# KiCad board ECU.kicad_pcb
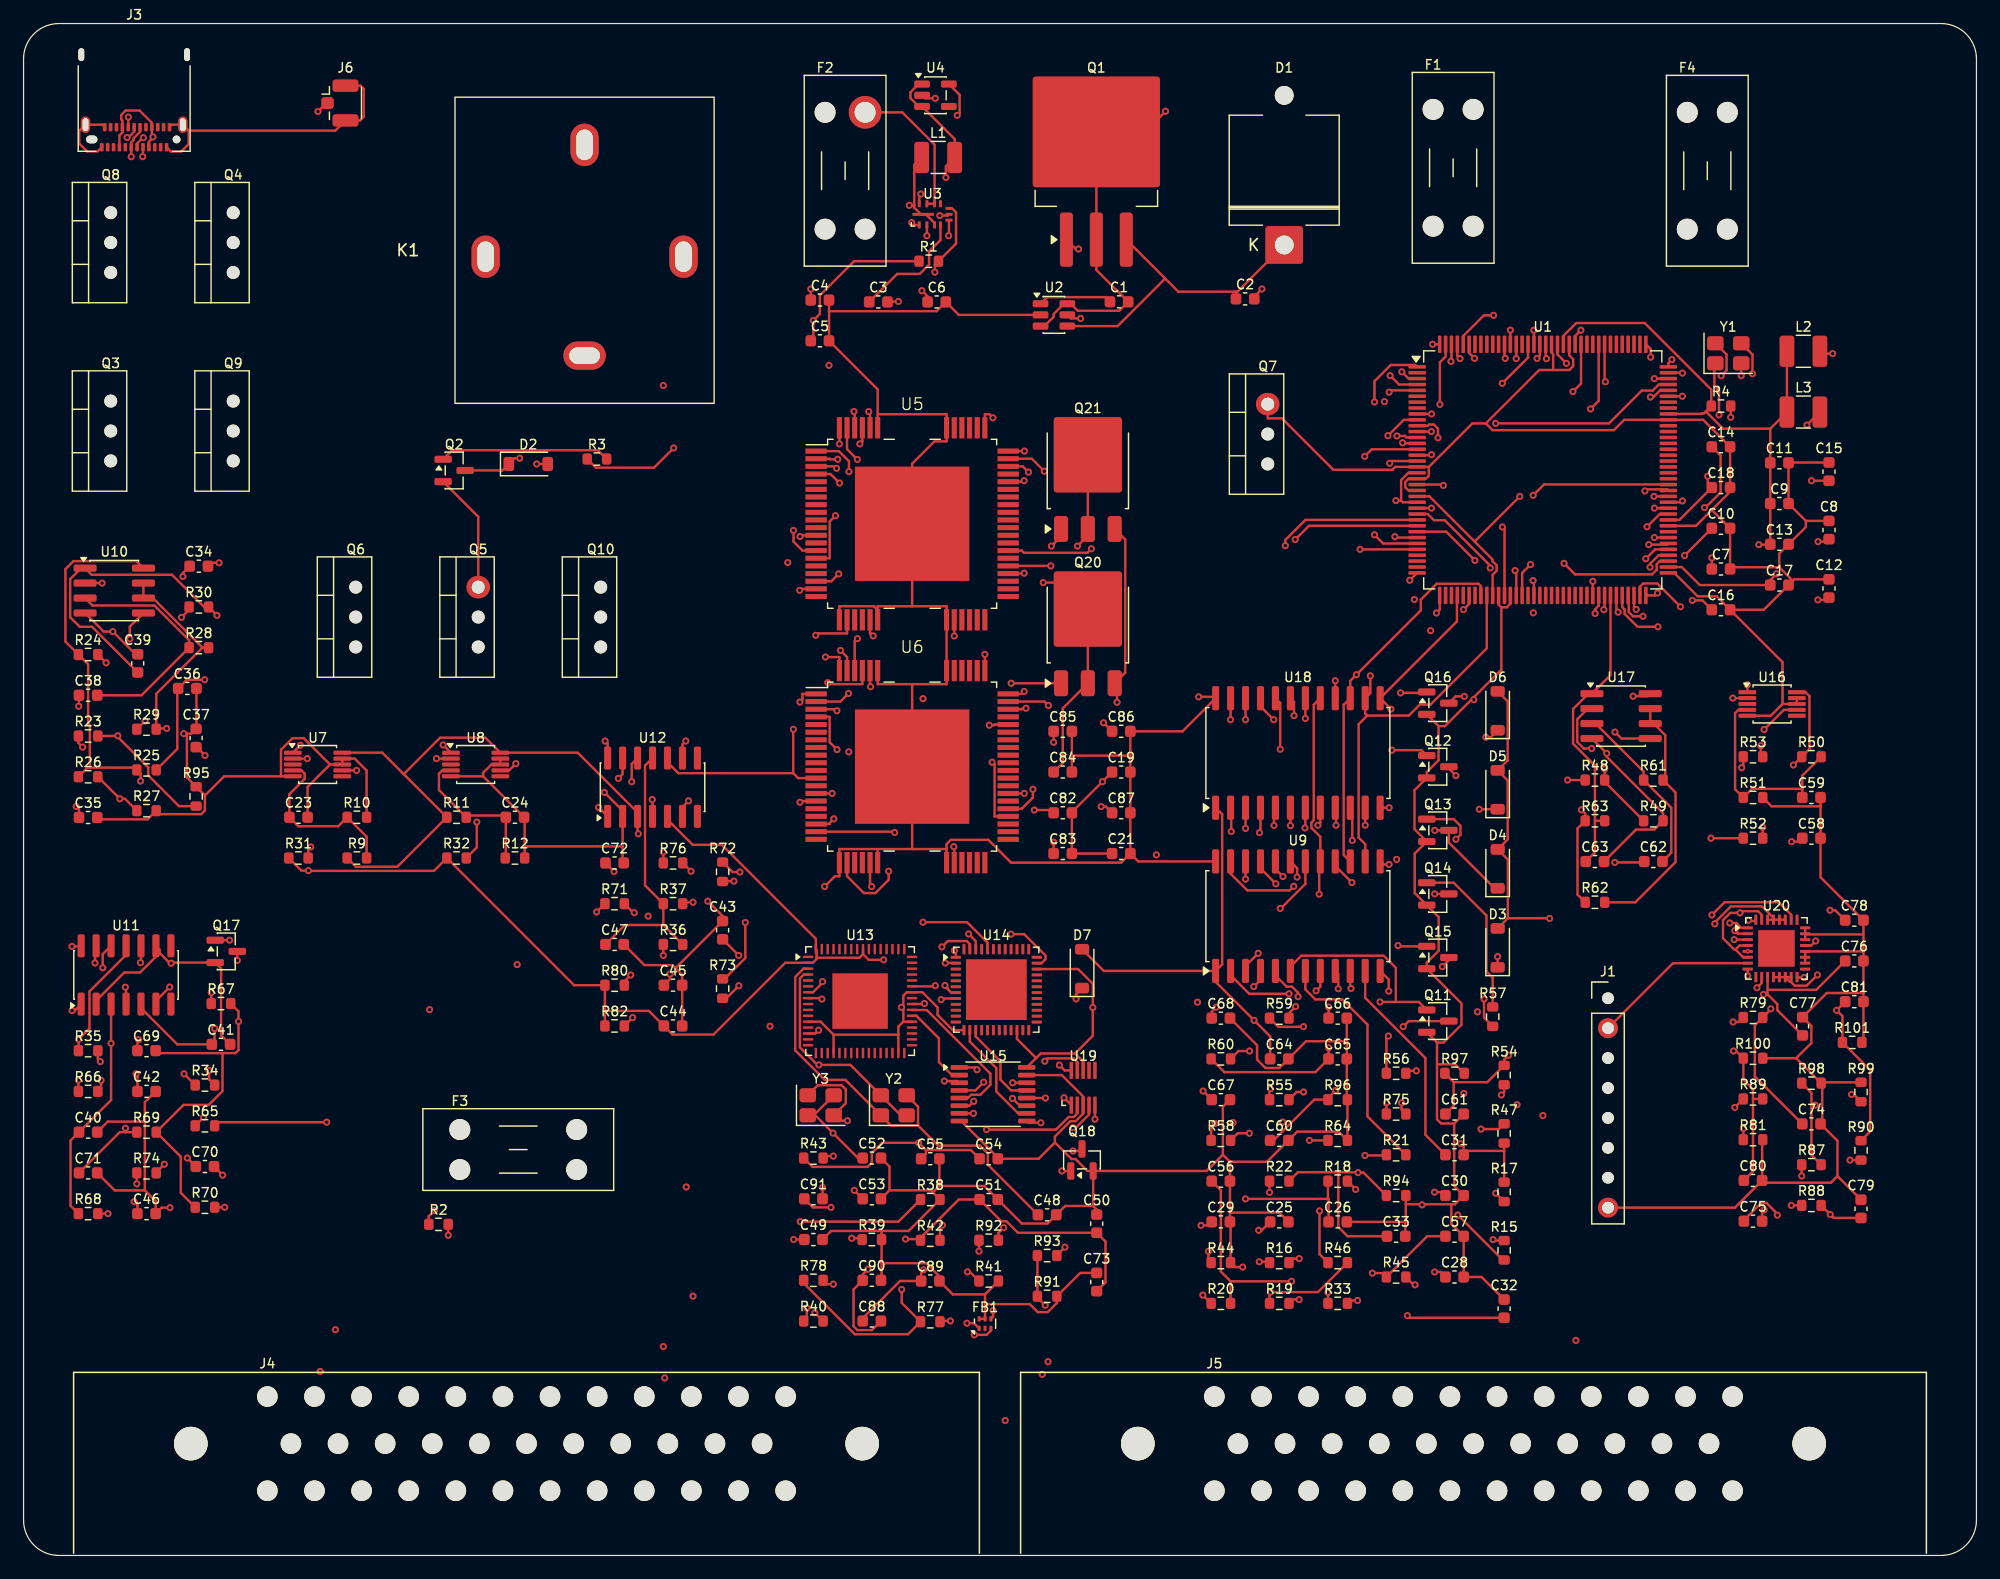
[diagram p0: board, top side]
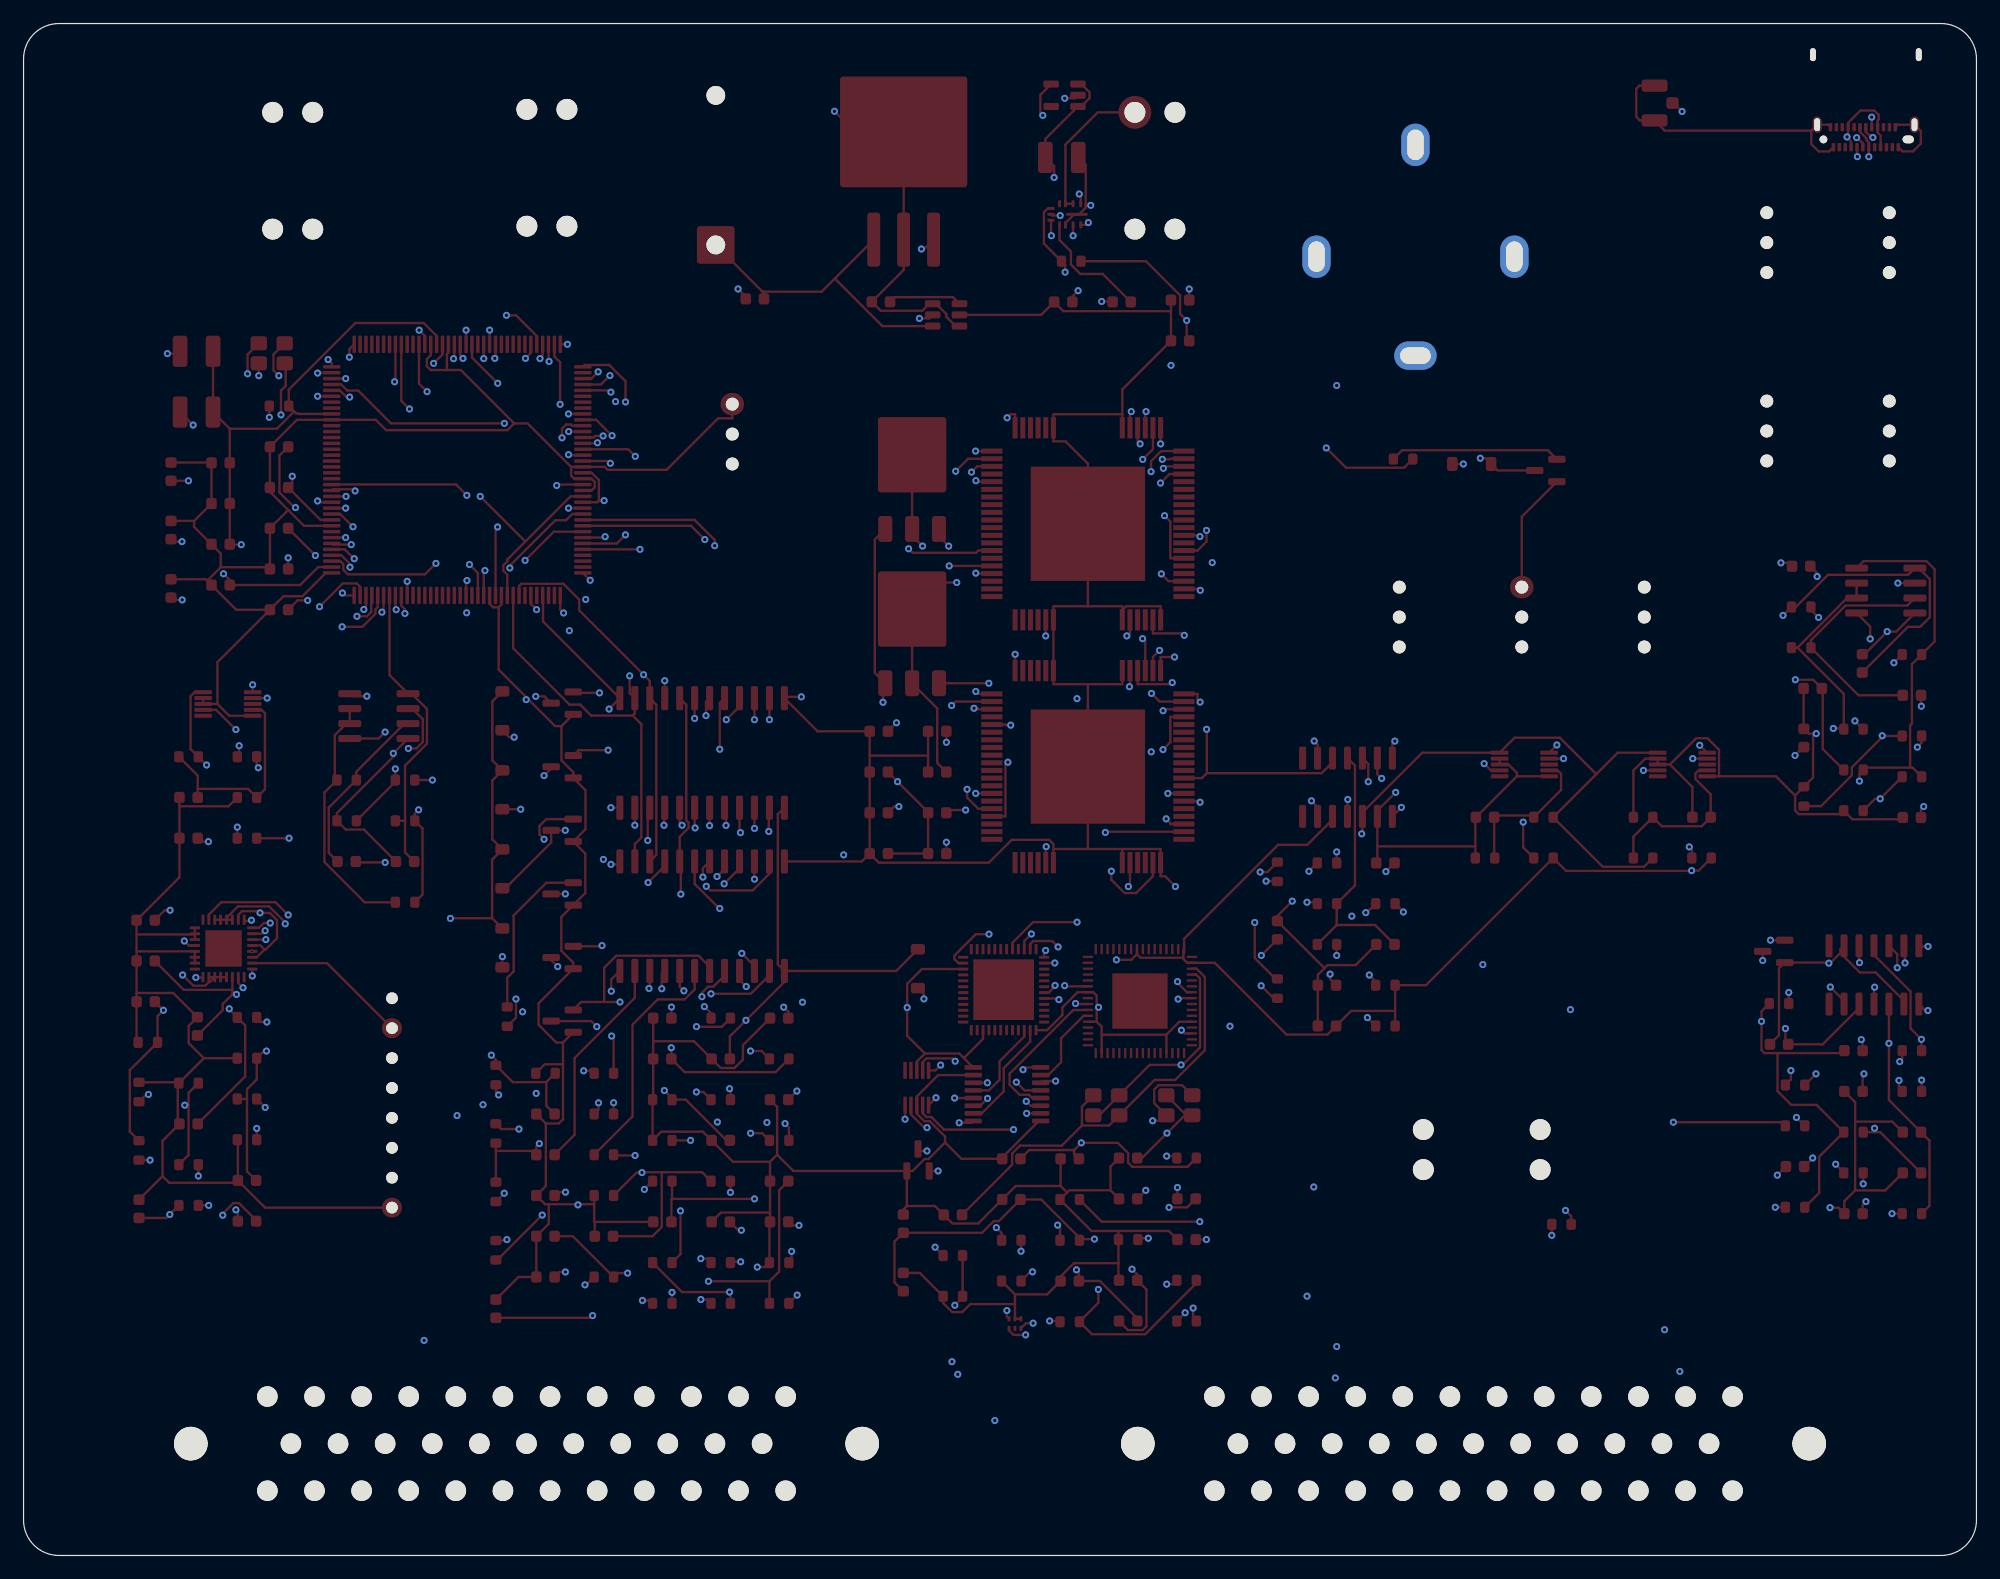
[diagram p1: board, bottom side, seen from below]

Outline 165.8 x 130.09 mm; copper layers: Top, In1.Cu, In2.Cu, In3.Cu, In4.Cu, In5.Cu, In6.Cu, Bottom. Coordinates in mm from the lower left corner of the outline.
Outline path: 0,127.09 arc(0.88,129.21) 3,130.09 162.8,130.09 arc(164.92,129.21) 165.8,127.09 165.8,3 arc(164.92,0.88) 162.8,0 3,0 arc(0.88,0.88) 0,3 0,127.09

## Placement (name value [footprint] x y rotation side)
C1  100nF charge-pump cap (AEC-Q200)  [C_0603_1608Metric]  93.01 106.46 0 top
C2  22uF X7R (AEC-Q200)  [C_0603_1608Metric]  103.71 106.71 0 top
C3  100nF BOOT cap (AEC-Q200)  [C_0603_1608Metric]  72.57 106.45 0 top
C4  1uF VCC decouple (AEC-Q200)  [C_0603_1608Metric]  67.61 106.61 0 top
C5  22uF X7R (AEC-Q200)  [C_0603_1608Metric]  67.61 103.15 0 top
C6  1uF X7R (AEC-Q200)  [C_0603_1608Metric]  77.53 106.45 0 top
C7  18pF (AEC-Q200)  [C_0603_1608Metric]  144.11 83.77 0 top
C8  18pF (AEC-Q200)  [C_0603_1608Metric]  153.28 87.08 90 top
C9  100nF (AEC-Q200)  [C_0603_1608Metric]  149.07 89.33 0 top
C10  100nF (AEC-Q200)  [C_0603_1608Metric]  144.11 87.23 0 top
C11  100nF (AEC-Q200)  [C_0603_1608Metric]  149.07 92.79 0 top
C12  100nF (AEC-Q200)  [C_0603_1608Metric]  153.28 82.12 90 top
C13  100nF (AEC-Q200)  [C_0603_1608Metric]  149.07 85.87 0 top
C14  1uF (AEC-Q200)  [C_0603_1608Metric]  144.11 94.15 0 top
C15  1uF (AEC-Q200)  [C_0603_1608Metric]  153.28 92.04 90 top
C16  1uF (AEC-Q200)  [C_0603_1608Metric]  144.11 80.31 0 top
C17  1uF (AEC-Q200)  [C_0603_1608Metric]  149.07 82.41 0 top
C18  1uF (AEC-Q200)  [C_0603_1608Metric]  144.11 90.69 0 top
C19  1uF VB/Cin reservoir (AEC-Q200) - place close to Q drain, see comment  [C_0603_1608Metric]  93.19 66.53 0 top
C21  1uF VB/Cin reservoir (AEC-Q200) - place close to Q drain, see comment  [C_0603_1608Metric]  93.19 59.61 0 top
C23  100nF BIAS bypass (AEC-Q200, typical - confirm)  [C_0603_1608Metric]  23.34 62.69 0 top
C24  100nF BIAS bypass (AEC-Q200, typical - confirm)  [C_0603_1608Metric]  41.72 62.69 0 top
C25  33nF UB decouple (AEC-Q200) - real Bosch app-note value,  [C_0603_1608Metric]  106.61 28.33 0 top
C26  33nF VCC decouple (AEC-Q200) - real Bosch app-note value,  [C_0603_1608Metric]  111.57 28.33 0 top
C28  33nF UA stabilize (AEC-Q200) - real Bosch app-note value,  [C_0603_1608Metric]  121.49 23.65 0 top
C29  100nF CF filter (AEC-Q200) - real Bosch app-note value,  [C_0603_1608Metric]  101.65 28.33 0 top
C30  33nF UR stabilize (AEC-Q200) - real Bosch app-note value,  [C_0603_1608Metric]  121.49 30.57 0 top
C31  100nF CM (AEC-Q200) - real Bosch app-note value/topology  [C_0603_1608Metric]  121.49 34.03 0 top
C32  100nF RST_N stabilize (AEC-Q200, typical - confirm)  [C_0603_1608Metric]  125.7 20.96 90 top
C33  22nF MAP RC filter (AEC-Q200)  [C_0603_1608Metric]  116.53 27.11 0 top
C34  22nF TPS RC filter (AEC-Q200)  [C_0603_1608Metric]  14.88 84.01 0 top
C35  100nF IAT filter (AEC-Q200) - matches CLT's C36  [C_0603_1608Metric]  5.48 62.67 0 top
C36  100nF CLT filter (AEC-Q200) - matches thermo-pcb's C24  [C_0603_1608Metric]  13.9 73.63 0 top
C37  1uF mid-supply bypass (AEC-Q200)  [C_0603_1608Metric]  14.65 69.42 90 top
C38  10nF AC-couple from sensor (AEC-Q200, typical - confirm)  [C_0603_1608Metric]  5.48 73.05 0 top
C39  1nF anti-alias (AEC-Q200)  [C_0603_1608Metric]  9.69 75.76 90 top
C40  100nF VCC decouple (AEC-Q200)  [C_0603_1608Metric]  5.48 35.95 0 top
C41  100nF VIO decouple (AEC-Q200)  [C_0603_1608Metric]  16.76 43.41 0 top
C42  100nF VBAT decouple (AEC-Q200)  [C_0603_1608Metric]  10.44 39.41 0 top
C43  100nF VCC decouple (AEC-Q200)  [C_0603_1608Metric]  59.35 53.1 90 top
C44  100nF VIO decouple (AEC-Q200)  [C_0603_1608Metric]  55.14 44.97 0 top
C45  100nF VBAT decouple (AEC-Q200)  [C_0603_1608Metric]  55.14 48.43 0 top
C46  4.7nF SPLIT stabilization (AEC-Q200)  [C_0603_1608Metric]  10.44 29.03 0 top
C47  4.7nF SPLIT stabilization (AEC-Q200)  [C_0603_1608Metric]  50.18 51.89 0 top
C48  18pF (AEC-Q200)  [C_0603_1608Metric]  86.9 28.93 0 top
C49  18pF (AEC-Q200)  [C_0603_1608Metric]  67.06 26.83 0 top
C50  100nF VCORE decouple (AEC-Q200, typical - confirm)  [C_0603_1608Metric]  91.11 28.18 90 top
C51  100nF VCCIO decouple (AEC-Q200)  [C_0603_1608Metric]  81.94 30.23 0 top
C52  10pF (AEC-Q200, typical - confirm)  [C_0603_1608Metric]  72.02 33.75 0 top
C53  10pF (AEC-Q200, typical - confirm)  [C_0603_1608Metric]  72.02 30.29 0 top
C54  100nF VDDS decouple (AEC-Q200)  [C_0603_1608Metric]  81.94 33.69 0 top
C55  1uF VDDS bulk (AEC-Q200)  [C_0603_1608Metric]  76.98 33.69 0 top
C56  2.2nF Nernst node filter (AEC-Q200) - real Bosch app-note  [C_0603_1608Metric]  101.65 31.79 0 top
C57  1nF UN filter cap (AEC-Q200) - real Bosch app-note TOPOLOGY,  [C_0603_1608Metric]  121.49 27.11 0 top
C58  100nF VBATT sense filter (AEC-Q200)  [C_0603_1608Metric]  151.79 60.91 0 top
C59  100nF CAM2 BIAS bypass (AEC-Q200)  [C_0603_1608Metric]  151.79 64.37 0 top
C60  22nF oil-pressure RC filter (AEC-Q200)  [C_0603_1608Metric]  106.61 35.25 0 top
C61  22nF fuel-pressure RC filter (AEC-Q200)  [C_0603_1608Metric]  121.49 37.49 0 top
C62  10nF knock2 AC-couple (AEC-Q200, typical - confirm)  [C_0603_1608Metric]  138.37 58.93 0 top
C63  1nF knock2 anti-alias (AEC-Q200)  [C_0603_1608Metric]  133.41 58.93 0 top
C64  33nF UB decouple (AEC-Q200)  [C_0603_1608Metric]  106.61 42.17 0 top
C65  33nF VCC decouple (AEC-Q200)  [C_0603_1608Metric]  111.57 42.17 0 top
C66  33nF UA stabilize (AEC-Q200)  [C_0603_1608Metric]  111.57 45.63 0 top
C67  100nF CF filter (AEC-Q200)  [C_0603_1608Metric]  101.65 38.71 0 top
C68  33nF UR stabilize (AEC-Q200)  [C_0603_1608Metric]  101.65 45.63 0 top
C69  100nF CM (AEC-Q200)  [C_0603_1608Metric]  10.44 42.87 0 top
C70  100nF RST_N stabilize (AEC-Q200)  [C_0603_1608Metric]  15.4 33.03 0 top
C71  1nF UN filter (AEC-Q200) - value unlabeled by Bosch  [C_0603_1608Metric]  5.48 32.49 0 top
C72  2.2nF Nernst node filter to GND (AEC-Q200)  [C_0603_1608Metric]  50.18 58.81 0 top
C73  100nF ADS1118-Q1 VDD decouple (AEC-Q200) - real TI Fig 50 value  [C_0603_1608Metric]  91.11 23.22 90 top
C74  1nF flex-fuel filter (AEC-Q200)  [C_0603_1608Metric]  151.79 36.65 0 top
C75  33nF ETC charge-pump cap (AEC-Q200) - real datasheet value  [C_0603_1608Metric]  146.83 28.39 0 top
C76  10uF ETC VPWR bulk decouple (AEC-Q200)  [C_0603_1608Metric]  155.43 50.49 0 top
C77  100nF ETC VPWR HF decouple (AEC-Q200)  [C_0603_1608Metric]  151.04 44.94 90 top
C78  22nF APP1 RC filter (AEC-Q200)  [C_0603_1608Metric]  155.43 53.95 0 top
C79  22nF APP2 RC filter (AEC-Q200)  [C_0603_1608Metric]  156 29.44 90 top
C80  22nF TPS1 RC filter (AEC-Q200)  [C_0603_1608Metric]  146.83 31.85 0 top
C81  22nF TPS2 RC filter (AEC-Q200)  [C_0603_1608Metric]  155.43 47.03 0 top
C82  100nF CP charge-pump cap (AEC-Q200) - real Table 13 value, CP to VB  [C_0603_1608Metric]  88.23 63.07 0 top
C83  100nF CP charge-pump cap (AEC-Q200) - real Table 13 value, CP to VB  [C_0603_1608Metric]  88.23 59.61 0 top
C84  10uF VDD5 reg cap (AEC-Q200) - real Table 13 range 1-10uF  [C_0603_1608Metric]  88.23 66.53 0 top
C85  10uF VDD5 reg cap (AEC-Q200) - real Table 13 range 1-10uF  [C_0603_1608Metric]  88.23 69.99 0 top
C86  1uF V3V3 reg cap (AEC-Q200) - real Table 13 range 1-10uF  [C_0603_1608Metric]  93.19 69.99 0 top
C87  1uF V3V3 reg cap (AEC-Q200) - real Table 13 range 1-10uF  [C_0603_1608Metric]  93.19 63.07 0 top
C88  1uF EGT TC differential (AEC-Q200) - real TI Fig 50 value  [C_0603_1608Metric]  72.02 19.91 0 top
C89  100nF EGT TC common-mode (AEC-Q200) - real TI Fig 50 CCMA  [C_0603_1608Metric]  76.98 23.31 0 top
C90  100nF EGT TC common-mode (AEC-Q200) - real TI Fig 50 CCMB  [C_0603_1608Metric]  72.02 23.37 0 top
C91  100pF RF DC block (AEC-Q200, C0G/NP0) - see comment  [C_0603_1608Metric]  67.06 30.29 0 top
D1  5KP33A automotive (AEC-Q101)  [D_P600_R-6_P12.70mm_Horizontal]  107.03 111.29 90 top
D2  PMEG4010BEA automotive (AEC-Q101)  [D_SOD-123]  42.85 92.69 0 top
D3  PMEG4010BEA automotive (AEC-Q101), VVT1 flyback  [D_SOD-123]  125.15 51.6 90 top
D4  PMEG4010BEA automotive (AEC-Q101), VVT2 flyback  [D_SOD-123]  125.15 58.31 90 top
D5  PMEG4010BEA automotive (AEC-Q101), IDLE flyback  [D_SOD-123]  125.15 65.02 90 top
D6  PMEG4010BEA automotive (AEC-Q101), FPUMP flyback  [D_SOD-123]  125.15 71.73 90 top
D7  PMEG4010BEA automotive (AEC-Q101), boost solenoid flyback  [D_SOD-123]  89.87 49.83 90 top
F1  30A Mini blade holder (Littelfuse 297-series element, main input)  [Fuseholder_Blade_Mini_Keystone_3568]  119.67 112.88 90 top
F2  2A Mini blade holder (Littelfuse 297-series element, logic supply)  [Fuseholder_Blade_Mini_Keystone_3568]  68.05 112.63 90 top
F3  15A Mini blade holder (Littelfuse 297-series element, injector rail)  [Fuseholder_Blade_Mini_Keystone_3568]  37.04 36.17 0 top
F4  25A Mini blade holder (Littelfuse 297-series element, ignition rail)  [Fuseholder_Blade_Mini_Keystone_3568]  141.25 112.63 90 top
FB1  Johanson 2450BM14G0011T-AEC balun+LPF (AEC-Q200, -40..+105C) - see registration note  [Balun_Johanson_1.6x0.8mm]  81.63 19.69 90 top
J1  JTAG programming header  [PinHeader_1x08_P2.54mm_Vertical]  134.52 47.32 0 top
J3  USB-C receptacle, real Amphenol 12401610E4-2A pinout  [USB_C_Receptacle_Amphenol_12401610E4-2A]  9.39 124.61 180 top
J4  TE AMPSEAL 776180-1 (35-pos) - engine harness  [TE_1-776180-1]  20.7 13.5 0 top
J5  TE AMPSEAL 776180-1 (35-pos) - sensor+CAN harness  [TE_1-776180-1]  101.1 13.5 0 top
J6  U.FL external BLE antenna connector  [U.FL_Hirose_U.FL-R-SMT-1_Vertical]  27.33 123.34 0 top
K1  Panasonic CB1a-T-P-12V automotive relay (40A, -40..+125C) - see registration note  [Panasonic_CB1a-T-P_Relay_40A]  47.63 110.84 90 top
L1  10uH power (AEC-Q200)  [L_1210_3225Metric]  77.65 118.72 0 top
L2  ferrite bead (AEC-Q200)  [L_1210_3225Metric]  151.11 102.26 0 top
L3  ferrite bead (AEC-Q200)  [L_1210_3225Metric]  151.11 97.1 0 top
Q1  SQM40020EL_GE3 automotive (AEC-Q101), D2PAK 100A/40V  [TO-263-3_TabPin2]  91.08 119.39 90 top
Q2  PMV230ENEA automotive (AEC-Q101), relay driver  [SOT-23]  36.56 92.14 0 top
Q3  FGP3040G2 automotive ignition IGBT (TO-220)  [TO-220-3_Vertical]  7.4 92.95 90 top
Q4  FGP3040G2 automotive ignition IGBT (TO-220)  [TO-220-3_Vertical]  17.8 108.95 90 top
Q5  FGP3040G2 automotive ignition IGBT (TO-220)  [TO-220-3_Vertical]  38.6 77.15 90 top
Q6  FGP3040G2 automotive ignition IGBT (TO-220)  [TO-220-3_Vertical]  28.2 77.15 90 top
Q7  FGP3040G2 automotive ignition IGBT (TO-220)  [TO-220-3_Vertical]  105.63 92.69 90 top
Q8  FGP3040G2 automotive ignition IGBT (TO-220)  [TO-220-3_Vertical]  7.4 108.95 90 top
Q9  FGP3040G2 automotive ignition IGBT (TO-220)  [TO-220-3_Vertical]  17.8 92.95 90 top
Q10  FGP3040G2 automotive ignition IGBT (TO-220)  [TO-220-3_Vertical]  49 77.15 90 top
Q11  PMV37ENEA automotive (AEC-Q101), O2 heater driver  [SOT-23]  120.07 45.38 0 top
Q12  PMV37ENEA automotive (AEC-Q101), VVT1 low-side driver  [SOT-23]  120.07 66.98 0 top
Q13  PMV37ENEA automotive (AEC-Q101), VVT2 low-side driver  [SOT-23]  120.07 61.58 0 top
Q14  PMV37ENEA automotive (AEC-Q101), IDLE low-side driver  [SOT-23]  120.07 56.18 0 top
Q15  PMV37ENEA automotive (AEC-Q101), FPUMP low-side driver  [SOT-23]  120.07 50.78 0 top
Q16  PMV37ENEA automotive (AEC-Q101), tach output driver  [SOT-23]  120.07 72.38 0 top
Q17  PMV37ENEA automotive (AEC-Q101), O2 bank-2 heater driver  [SOT-23]  17.21 51.3 0 top
Q18  PMV37ENEA automotive (AEC-Q101), boost solenoid driver  [SOT-23]  89.86 33.59 90 top
Q20  STD20NF06LAG automotive (AEC-Q101), DPAK - VDD5 ext pass NMOS, automotive grade of ST's own Table 13 reference  [TO-252-3_TabPin2]  90.36 79.11 90 top
Q21  STD20NF06LAG automotive (AEC-Q101), DPAK - VDD5 ext pass NMOS, automotive grade of ST's own Table 13 reference  [TO-252-3_TabPin2]  90.36 92.21 90 top
R1  10k (AEC-Q200)  [R_0603_1608Metric]  76.85 109.91 0 top
R2  2.49k (AEC-Q200)  [R_0603_1608Metric]  35.23 28.12 0 top
R3  1k gate resistor (AEC-Q200)  [R_0603_1608Metric]  48.68 93.11 0 top
R4  10k pull-up (AEC-Q200)  [R_0603_1608Metric]  144.11 97.61 0 top
R9  10k BIAS divider hi (AEC-Q200, typical - confirm)  [R_0603_1608Metric]  28.3 59.23 0 top
R10  10k BIAS divider lo (AEC-Q200, typical - confirm)  [R_0603_1608Metric]  28.3 62.69 0 top
R11  10k BIAS divider hi (AEC-Q200, typical - confirm)  [R_0603_1608Metric]  36.76 62.69 0 top
R12  10k BIAS divider lo (AEC-Q200, typical - confirm)  [R_0603_1608Metric]  41.72 59.23 0 top
R15  100k RF filter (AEC-Q200) - real Bosch app-note value/  [R_0603_1608Metric]  125.7 25.92 90 top
R16  61R9 IA-IP pump current shunt (AEC-Q200) - CONFIRMED  [R_0603_1608Metric]  106.61 24.87 0 top
R17  10k RM (AEC-Q200) - real Bosch app-note value for LSU4.2  [R_0603_1608Metric]  125.7 30.88 90 top
R18  10k RST_N pull-up (AEC-Q200)  [R_0603_1608Metric]  111.57 31.79 0 top
R19  470k UP-IP node bridge (AEC-Q200) - real Bosch app-note  [R_0603_1608Metric]  106.61 21.41 0 top
R20  82R5 Nernst-VM node bridge (AEC-Q200) - real Bosch app-note  [R_0603_1608Metric]  101.65 21.41 0 top
R21  1k DIAHD sense (AEC-Q200, typical - confirm)  [R_0603_1608Metric]  116.53 34.03 0 top
R22  4.7k 1% MAP divider hi (AEC-Q200)  [R_0603_1608Metric]  106.61 31.79 0 top
R23  4.7k 1% TPS divider hi (AEC-Q200)  [R_0603_1608Metric]  5.48 69.59 0 top
R24  4.22k IAT pull-up (AEC-Q200) - real GM-style open-element sensor, geometric-mean sizing across its full range  [R_0603_1608Metric]  5.48 76.51 0 top
R25  1k 1% CLT pull-up (AEC-Q200) - real GM-style sending unit, same sizing as thermo-pcb's R12  [R_0603_1608Metric]  10.44 66.71 0 top
R26  10k mid-supply divider hi (AEC-Q200)  [R_0603_1608Metric]  5.48 66.13 0 top
R27  10k mid-supply divider lo (AEC-Q200)  [R_0603_1608Metric]  10.44 63.25 0 top
R28  1M bias to KNOCK_MID (AEC-Q200, typical - confirm)  [R_0603_1608Metric]  14.88 77.09 0 top
R29  1k feedback lo (AEC-Q200, typical - confirm, sets gain)  [R_0603_1608Metric]  10.44 70.17 0 top
R30  20k feedback hi (AEC-Q200, typical - confirm, sets gain ~21x)  [R_0603_1608Metric]  14.88 80.55 0 top
R31  4.7k COUT pull-up to +3V3 (AEC-Q200)  [R_0603_1608Metric]  23.34 59.23 0 top
R32  4.7k COUT pull-up to +3V3 (AEC-Q200)  [R_0603_1608Metric]  36.76 59.23 0 top
R33  1k heater gate resistor (AEC-Q200)  [R_0603_1608Metric]  111.57 21.41 0 top
R34  60R split termination (AEC-Q200) - DNP unless bus end-node  [R_0603_1608Metric]  15.4 39.95 0 top
R35  60R split termination (AEC-Q200) - DNP unless bus end-node  [R_0603_1608Metric]  5.48 42.87 0 top
R36  60R split termination (AEC-Q200) - DNP unless bus end-node  [R_0603_1608Metric]  55.14 51.89 0 top
R37  60R split termination (AEC-Q200) - DNP unless bus end-node  [R_0603_1608Metric]  55.14 55.35 0 top
R38  5.1k CC1 pull-down (AEC-Q200)  [R_0603_1608Metric]  76.98 30.23 0 top
R39  5.1k CC2 pull-down (AEC-Q200)  [R_0603_1608Metric]  72.02 26.83 0 top
R40  10k VBUS divider hi (AEC-Q200)  [R_0603_1608Metric]  67.06 19.91 0 top
R41  10k VBUS divider lo (AEC-Q200)  [R_0603_1608Metric]  81.94 23.31 0 top
R42  10k RESET_N pull-up (AEC-Q200)  [R_0603_1608Metric]  76.98 26.77 0 top
R43  10k RESET_N pull-up (AEC-Q200)  [R_0603_1608Metric]  67.06 33.75 0 top
R44  10k OSZ oscillator reference (AEC-Q200) - real Bosch  [R_0603_1608Metric]  101.65 24.87 0 top
R45  10k UN series R (AEC-Q200) - real Bosch app-note TOPOLOGY,  [R_0603_1608Metric]  116.53 23.65 0 top
R46  4.7k US series R to UP node (AEC-Q200) - real Bosch  [R_0603_1608Metric]  111.57 24.87 0 top
R47  100k Nernst-UP node bridge (AEC-Q200) - real Bosch app-note  [R_0603_1608Metric]  125.7 35.84 90 top
R48  68k VBATT sense divider hi (AEC-Q200)  [R_0603_1608Metric]  133.41 65.85 0 top
R49  10k VBATT sense divider lo (AEC-Q200)  [R_0603_1608Metric]  138.37 62.39 0 top
R50  10k CAM2 BIAS divider hi (AEC-Q200)  [R_0603_1608Metric]  151.79 67.83 0 top
R51  10k CAM2 BIAS divider lo (AEC-Q200)  [R_0603_1608Metric]  146.83 64.37 0 top
R52  4.7k CAM2 COUT pull-up to +3V3 (AEC-Q200)  [R_0603_1608Metric]  146.83 60.91 0 top
R53  4.7k 1% oil-pressure divider hi (AEC-Q200)  [R_0603_1608Metric]  146.83 67.83 0 top
R54  4.7k 1% fuel-pressure divider hi (AEC-Q200)  [R_0603_1608Metric]  125.7 40.8 90 top
R55  1k VVT1 gate resistor (AEC-Q200)  [R_0603_1608Metric]  106.61 38.71 0 top
R56  1k VVT2 gate resistor (AEC-Q200)  [R_0603_1608Metric]  116.53 40.95 0 top
R57  1k IDLE gate resistor (AEC-Q200)  [R_0603_1608Metric]  124.73 45.76 90 top
R58  1k FPUMP gate resistor (AEC-Q200)  [R_0603_1608Metric]  101.65 35.25 0 top
R59  1k tach gate resistor (AEC-Q200)  [R_0603_1608Metric]  106.61 45.63 0 top
R60  10k tach pull-up to +5V (AEC-Q200)  [R_0603_1608Metric]  101.65 42.17 0 top
R61  1M knock2 bias to KNOCK2_MID (AEC-Q200, typical - confirm)  [R_0603_1608Metric]  138.37 65.85 0 top
R62  1k knock2 feedback lo (AEC-Q200, typical - sets gain)  [R_0603_1608Metric]  133.41 55.47 0 top
R63  20k knock2 feedback hi (AEC-Q200, typical - gain ~21x)  [R_0603_1608Metric]  133.41 62.39 0 top
R64  10k OSZ oscillator reference (AEC-Q200)  [R_0603_1608Metric]  111.57 35.25 0 top
R65  100k RF filter (AEC-Q200)  [R_0603_1608Metric]  15.4 36.49 0 top
R66  61R9 IA-IP pump current shunt (AEC-Q200)  [R_0603_1608Metric]  5.48 39.41 0 top
R67  10k RM (AEC-Q200) - LSU4.2 value (31.6k for LSU4.9)  [R_0603_1608Metric]  16.76 46.87 0 top
R68  10k RST_N pull-up (AEC-Q200)  [R_0603_1608Metric]  5.48 29.03 0 top
R69  10k UN series R (AEC-Q200) - value unlabeled by Bosch  [R_0603_1608Metric]  10.44 35.95 0 top
R70  100k Nernst-UP node bridge (AEC-Q200)  [R_0603_1608Metric]  15.4 29.57 0 top
R71  470k UP-IP node bridge (AEC-Q200)  [R_0603_1608Metric]  50.18 55.35 0 top
R72  82R5 Nernst-VM node bridge (AEC-Q200) - LSU4.2 (301R LSU4.9)  [R_0603_1608Metric]  59.35 58.06 90 top
R73  4.7k US series R to UP node (AEC-Q200)  [R_0603_1608Metric]  59.35 48.14 90 top
R74  1k DIAHD sense (AEC-Q200)  [R_0603_1608Metric]  10.44 32.49 0 top
R75  1k heater-2 gate resistor (AEC-Q200)  [R_0603_1608Metric]  116.53 37.49 0 top
R76  1k boost solenoid gate resistor (AEC-Q200)  [R_0603_1608Metric]  55.14 58.81 0 top
R77  10k SPI_CS_EGT pull-up (AEC-Q200)  [R_0603_1608Metric]  76.98 19.85 0 top
R78  1M EGT TC bias pull-up (AEC-Q200) - real TI Fig 50 value  [R_0603_1608Metric]  67.06 23.37 0 top
R79  1k flex-fuel series protection (AEC-Q200)  [R_0603_1608Metric]  146.83 45.69 0 top
R80  4.7k flex-fuel pull-up to +3V3 (AEC-Q200)  [R_0603_1608Metric]  50.18 48.43 0 top
R81  270R ETC current-feedback sense (AEC-Q200) - real NXP AN5212 value  [R_0603_1608Metric]  146.83 35.31 0 top
R82  10k ETC SF pull-up to +3V3 (AEC-Q200)  [R_0603_1608Metric]  50.18 44.97 0 top
R87  4.7k 1% APP1 divider hi (AEC-Q200)  [R_0603_1608Metric]  151.79 33.19 0 top
R88  4.7k 1% APP2 divider hi (AEC-Q200)  [R_0603_1608Metric]  151.79 29.73 0 top
R89  4.7k 1% TPS1 divider hi (AEC-Q200)  [R_0603_1608Metric]  146.83 38.77 0 top
R90  4.7k 1% TPS2 divider hi (AEC-Q200)  [R_0603_1608Metric]  156 34.4 90 top
R91  1M EGT TC bias pull-down (AEC-Q200) - real TI Fig 50 value  [R_0603_1608Metric]  86.9 22.01 0 top
R92  499R EGT TC series (AEC-Q200) - real TI Fig 50 RDIFFA  [R_0603_1608Metric]  81.94 26.77 0 top
R93  499R EGT TC series (AEC-Q200) - real TI Fig 50 RDIFFB  [R_0603_1608Metric]  86.9 25.47 0 top
R94  4.7k 1% MAP divider lo (AEC-Q200)  [R_0603_1608Metric]  116.53 30.57 0 top
R95  4.7k 1% TPS divider lo (AEC-Q200)  [R_0603_1608Metric]  14.65 64.46 90 top
R96  4.7k 1% oil-pressure divider lo (AEC-Q200)  [R_0603_1608Metric]  111.57 38.71 0 top
R97  4.7k 1% fuel-pressure divider lo (AEC-Q200)  [R_0603_1608Metric]  121.49 40.95 0 top
R98  4.7k 1% APP1 divider lo (AEC-Q200)  [R_0603_1608Metric]  151.79 40.11 0 top
R99  4.7k 1% APP2 divider lo (AEC-Q200)  [R_0603_1608Metric]  156 39.36 90 top
R100  4.7k 1% TPS1 divider lo (AEC-Q200)  [R_0603_1608Metric]  146.83 42.23 0 top
R101  4.7k 1% TPS2 divider lo (AEC-Q200)  [R_0603_1608Metric]  155.25 43.57 0 top
U1  NXP MPC5606B automotive (Qorivva, Power Architecture)  [LQFP-144_20x20mm_P0.5mm]  128.98 92.19 0 top
U2  LM74700-Q1 (AEC-Q100 G1)  [SOT-23-6]  87.48 105.35 0 top
U3  LMR33630-Q1 (AEC-Q100 G1)  [TI_RNX0012C_VQFN-HR-12_2x3mm_P0.5mm]  77.17 113.89 90 top
U4  TLV733P-Q1 (AEC-Q100 G1)  [SOT-23-5]  77.42 124 0 top
U5  ST L9779WD-SPI automotive (Multifunction Engine Management IC)  [L9779WD-SPI]  75.44 87.61 0 top
U6  ST L9779WD-SPI automotive (Multifunction Engine Management IC)  [L9779WD-SPI]  75.44 66.99 0 top
U7  MAX9924 automotive (AEC-Q100) - CRANK VR interface  [MSOP-10_3x3mm_P0.5mm]  24.96 67.17 0 top
U8  MAX9924 automotive (AEC-Q100) - CAM VR interface  [MSOP-10_3x3mm_P0.5mm]  38.38 67.17 0 top
U9  Bosch CJ125 wideband O2 controller (SOIC-24W)  [SOIC-24W_7.5x15.4mm_P1.27mm]  108.19 54.29 90 top
U10  TLV2372-Q1 automotive (AEC-Q100 G1)  [SOIC-8_3.9x4.9mm_P1.27mm]  7.7 81.94 0 top
U11  NXP TJA1043T automotive CAN transceiver (AEC-Q100)  [SOIC-14_3.9x8.7mm_P1.27mm]  8.7 49.3 90 top
U12  NXP TJA1043T automotive CAN transceiver (AEC-Q100)  [SOIC-14_3.9x8.7mm_P1.27mm]  53.4 65.24 90 top
U13  FTDI FT4232HA automotive (AEC-Q100 G2)  [QFN-64-1EP_9x9mm_P0.5mm_EP4.7x4.7mm]  71.02 47.08 0 top
U14  TI CC2640R2F-Q1 automotive BLE SoC (AEC-Q100 G2)  [QFN-48-1EP_7x7mm_P0.5mm_EP5.15x5.15mm]  82.59 48.05 0 top
U15  TI SN3257-Q1 automotive 4ch analog switch (AEC-Q100 G1)  [TSSOP-16_4.4x5mm_P0.65mm]  82.31 39.17 0 top
U16  MAX9924 automotive (AEC-Q100) - CAM2 VR interface  [MSOP-10_3x3mm_P0.5mm]  148.45 72.31 0 top
U17  TLV2372-Q1 automotive (AEC-Q100 G1) - knock bank 2  [SOIC-8_3.9x4.9mm_P1.27mm]  135.63 71.28 0 top
U18  Bosch CJ125 wideband O2 controller #2 (SOIC-24W)  [SOIC-24W_7.5x15.4mm_P1.27mm]  108.19 68.15 90 top
U19  ADS1118-Q1 EGT thermocouple ADC (AEC-Q100 Grade 1)  [TI_DGS0010A_VSSOP-10_3x3mm_P0.5mm]  89.96 39.72 90 top
U20  NXP MC33926 ETC H-bridge (AEC-Q100 Grade 1, confirmed Rev.13+)  [QFN-32-1EP_5x5mm_P0.5mm_EP3.1x3.1mm]  148.82 51.55 0 top
Y1  8MHz (AEC-Q200)  [Crystal_SMD_3225-4Pin_3.2x2.5mm]  144.73 102.09 0 top
Y2  12MHz (AEC-Q200)  [Crystal_SMD_3225-4Pin_3.2x2.5mm]  73.88 38.23 0 top
Y3  24MHz (AEC-Q200)  [Crystal_SMD_3225-4Pin_3.2x2.5mm]  67.68 38.23 0 top
